# Altium PCB Time4CM4_PCIeCarrier_PCB.PcbDoc (part 4 of 5)
Units mil, origin at the board's own origin, x right, y up, seen from the top; angles counter-clockwise.
Board outline 4413.39 x 2736.22 mil, 6 copper layers (Top Layer, Int1 (GND), Int2 (Sign), Int3 (Sign), Int4 (PWR), Bottom Layer), stack 69.312 mil thick; 188 components, 283 nets, 1105 pads, 686 vias.
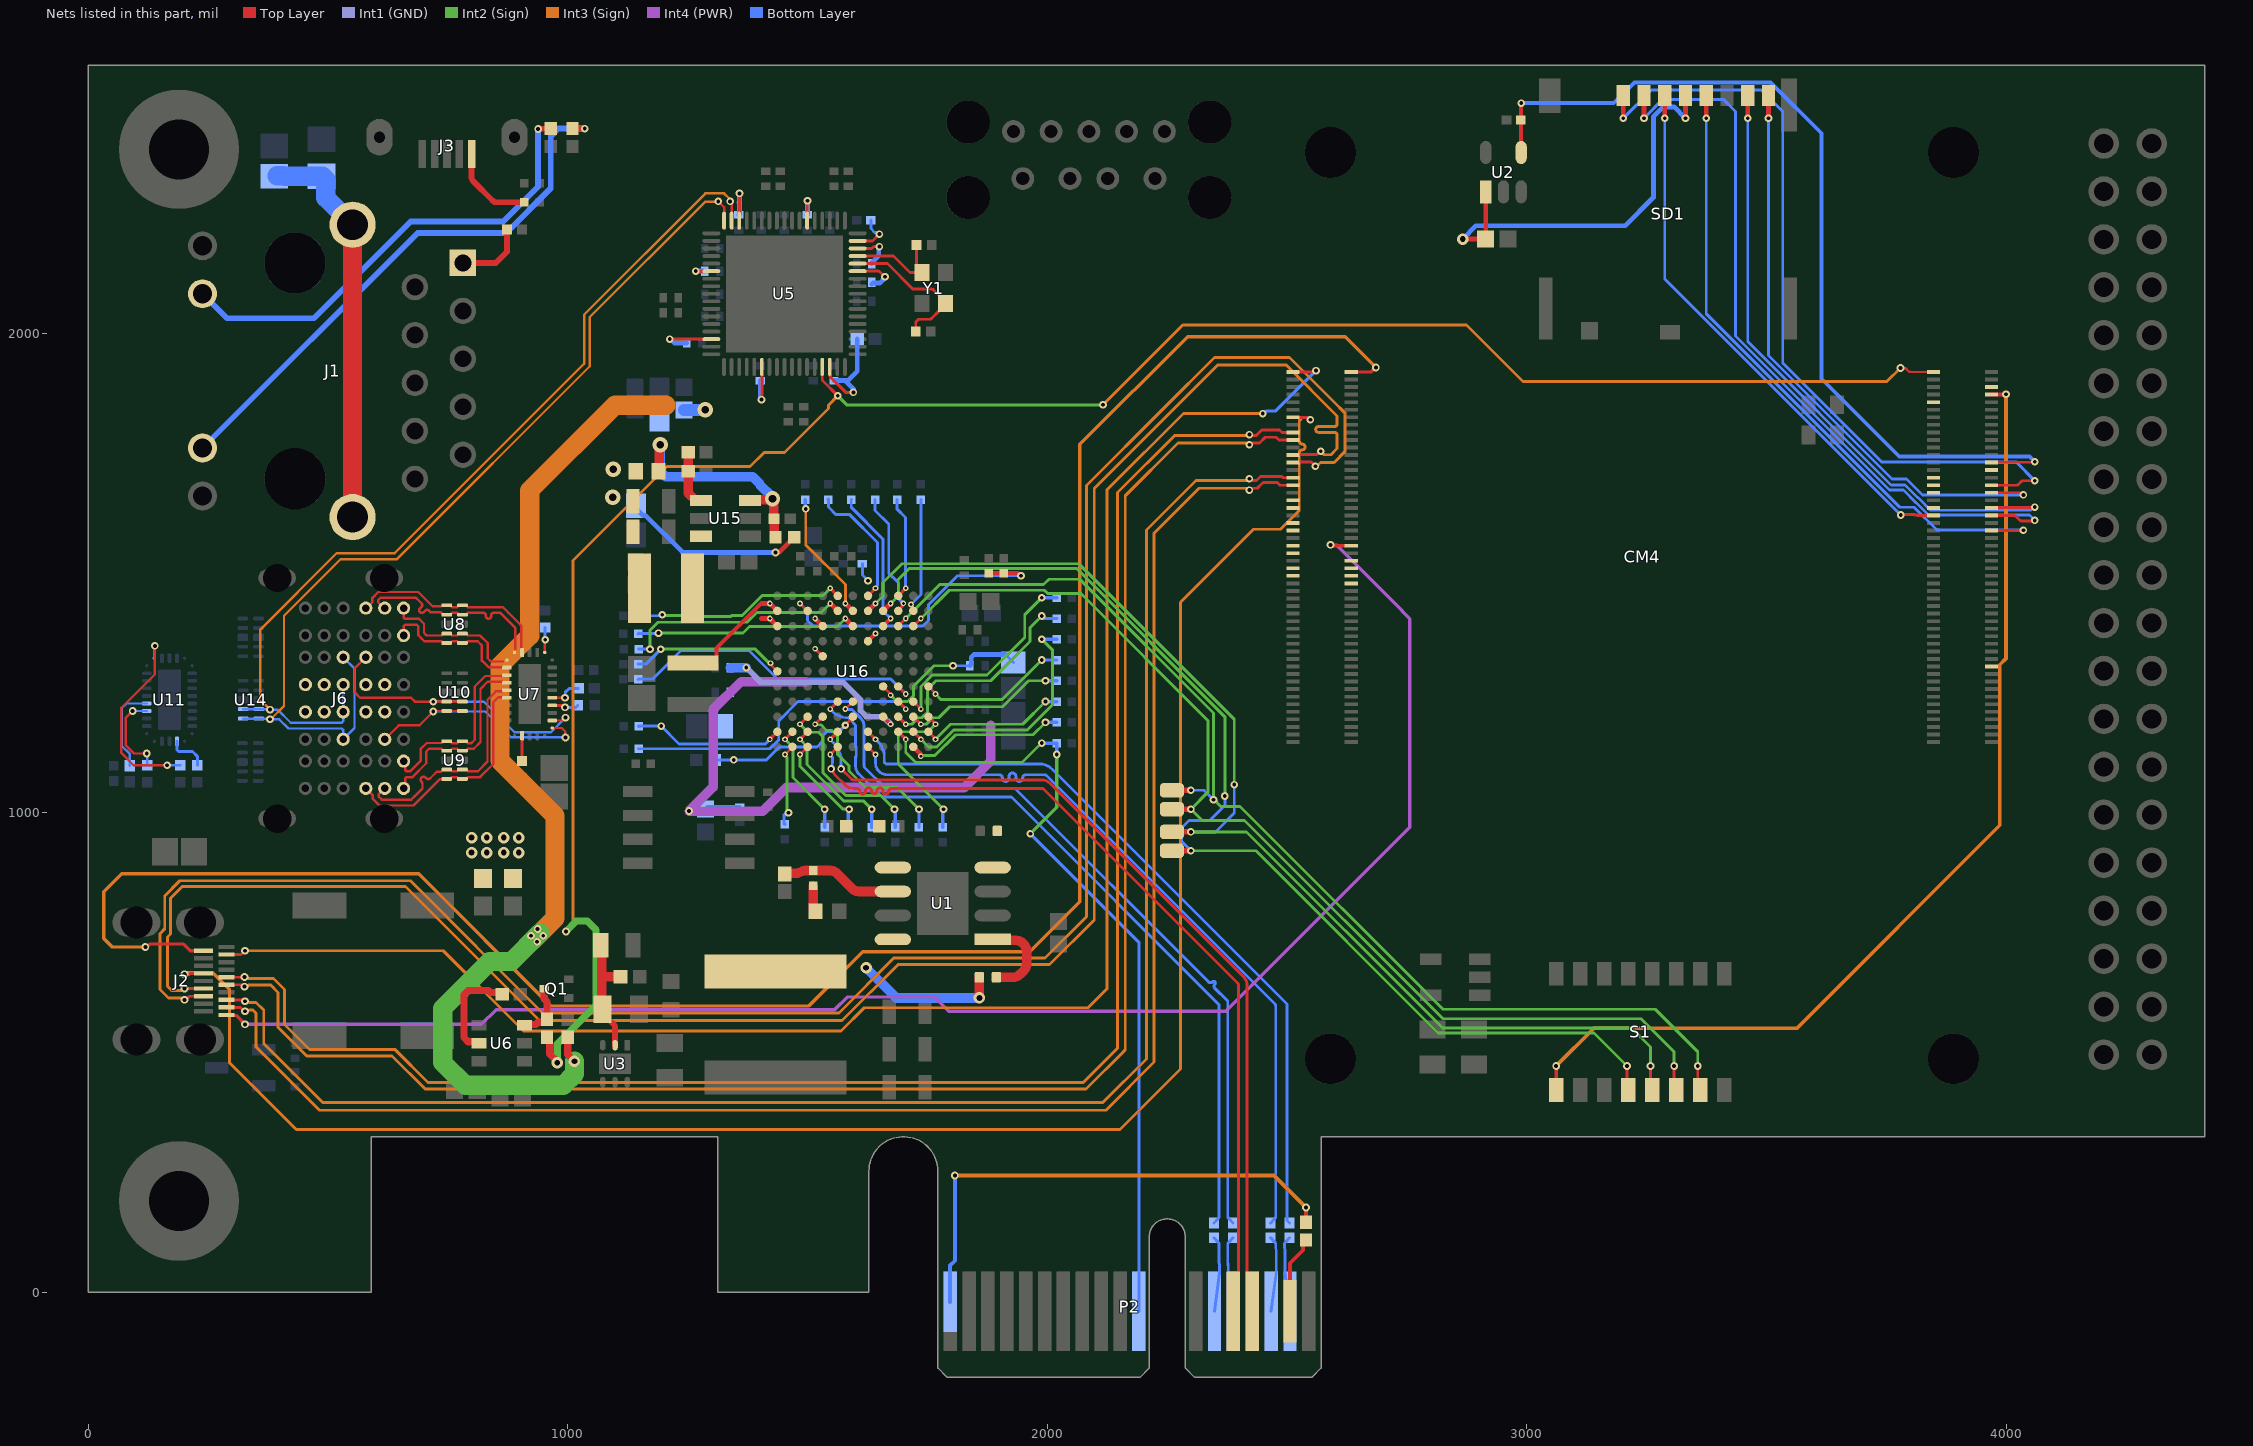
[diagram p8: the nets of this part, all layers, seen from the top]

## Via types
v1: diameter 16, hole 8, Top Layer to Bottom Layer, tented both sides, 372 vias
v2: diameter 20, hole 10, Top Layer to Bottom Layer, tented both sides, 88 vias
v3: diameter 12, hole 6, Top Layer to Bottom Layer, tented both sides, 87 vias
v4: diameter 24, hole 12, Top Layer to Bottom Layer, tented both sides, 69 vias
v5: diameter 19.68, hole 7.87, Top Layer to Bottom Layer, tented both sides, 36 vias
v6: diameter 32, hole 16, Top Layer to Bottom Layer, tented both sides, 19 vias
v7: diameter 19.68, hole 7.87, Top Layer to Bottom Layer, 12 vias
v8: diameter 16, hole 6, Top Layer to Bottom Layer, tented both sides, 2 vias
v9: diameter 80, hole 40, Top Layer to Bottom Layer, tented both sides, 1 vias

## Nets (pads, with @x,y where several pads share a name; then routed paths per layer and width w, separated by ;. In a path a pad name is that pad's centre, name@x,y a point inside that pad or via, vN(x,y) a via of type N, cw(c..) or ccw(c..) an arc to the next point about the centre after c; other vN are vias at no path point) (continued)
HDMI0_CLK_P: CM4.188 J2.12 | length 3975.8
  Top Layer w6: v1(200.79,663.86) 201.32,663.33 210.7,663.33 212.6,665.23 240.03,665.23 J2.12@240.16,665.35 ; CM4.188@2512.26,1825.16 2512.62,1824.8 v1@2542.57,1824.8
  Int3 (Sign) w6: v1(200.79,663.86) 203.49,663.86 207.32,667.69 258.49,667.69 294.79,631.39 294.79,478.85 433.83,339.8 2151.81,339.8 2277.81,465.8 2277.81,1439.23 2430.12,1591.54 2486.22,1591.54 2522.22,1627.53 2525.36,1630.67 ; 2525.36,1731.53 2525.36,1721.53 ; v1(2548.45,1820.1) 2547.27,1820.1 2542.7,1824.68 2532.21,1824.68 2525.36,1817.82 2525.36,1799.21 2525.36,1775.22 ccw(c2531.36,1775.22) 2531.36,1769.22 cw(c2531.36,1763.22) 2531.36,1757.22 ccw(c2531.36,1751.22) 2525.36,1751.22 2525.36,1736.22 2525.36,1733.03 2525.36,1721.53 ; 2525.36,1630.67 2525.36,1631.58 2525.36,1640.67 ; 2525.36,1630.67 2525.36,1640.67 ; 2525.36,1640.67 2525.36,1643.22 2525.36,1713.01 2525.36,1721.53
HDMI0_HP: CM4.153 J2.1 | length 3378.2
  Top Layer w7: J2.1@288.39,578.74 289.41,577.71 308.11,577.71 v1(326.77,559.06) ; v1(2590.55,1559.06) 2592.16,1557.45 CM4.153@2633.52,1557.45
  Int4 (PWR) w7: v1(326.77,559.06) 819.88,559.06 850.39,589.57 1556.1,589.57 1582.68,616.14 1764.76,616.14 1794.29,586.61 2372.05,586.61 2755.91,970.47 2755.91,1404.53 2739.83,1420.6 2739.83,1421.67 2603.12,1558.39 2591.22,1558.39 v1(2590.55,1559.06)
HDMI0_SCL: CM4.200 J2.17 | length 3573.3
  Top Layer w6: J2.17@288.39,704.72 318.26,704.72 326.13,712.6 v1(326.77,712.6)
  Top Layer w7: CM4.200@2512.26,1919.65 2557.45,1919.65 v1(2560.19,1922.4)
  Int3 (Sign) w6: v1(326.77,712.6) 740.16,712.6 907.48,545.28 1569.59,545.28 1618.11,593.8 2084.94,593.8 2124.02,632.87 2124.02,1673.23 2283.61,1832.82 v1(2449.12,1832.82)
  Bottom Layer w7: v1(2449.12,1832.82) 2451.55,1832.82 2457,1838.27 2476.06,1838.27 v1(2560.19,1922.4)
HDMI0_SDA: CM4.199 J2.18 | length 4321.8
  Top Layer w7: v1(119.09,720.47) 121.53,720.47 127.68,726.62 198.57,726.62 212.6,712.6 J2.18@240.16,712.6 ; CM4.199@2633.52,1919.65 2675.56,1919.65 v1(2685.04,1929.13)
  Int3 (Sign) w7: v1(119.09,720.47) 50.2,720.47 32.48,738.19 32.48,835.63 69.88,873.03 688.98,873.03 964.57,597.44 1501.97,597.44 1615.16,710.63 1963.58,710.63 2067.91,814.96 2067.91,1768.7 2292.32,1993.11 2621.06,1993.11 v1(2685.04,1929.13)
HDMI0_TX0_N: CM4.184 J2.11 | length 3596.4
  Top Layer w6: J2.11@288.39,657.48 v1@325.47,657.48 ; v1@2427.78,1787.53 2435.85,1787.53 2447.24,1798.91 2484.24,1798.91 2489.48,1793.67 CM4.184@2512.26,1793.67
  Int3 (Sign) w6: v1(325.79,657.8) 327.7,655.88 333.11,655.88 334.3,654.69 386.33,654.69 409.45,631.57 409.45,558.86 461.42,506.89 640.19,506.89 640.19,506.06 708.3,437.96 2074.97,437.96 2146.4,509.39 2146.4,1668.04 2265.88,1787.53 2419.89,1787.53 v1(2421.26,1788.9)
HDMI0_TX0_P: CM4.182 J2.9 | length 3596.6
  Top Layer w6: J2.9@288.39,641.73 319.14,641.73 323.08,637.8 v1(325.79,637.8) ; v1@2427.78,1771.53 2442.48,1771.53 2454.42,1783.46 2477.06,1783.46 2482.86,1777.67 2512.01,1777.67 CM4.182@2512.26,1777.92
  Int3 (Sign) w6: v1(325.79,637.8) 327.7,639.71 333.11,639.71 334.3,640.91 380.62,640.91 395.67,625.86 395.67,553.15 455.71,493.11 633.66,493.11 702.59,424.18 2080.67,424.18 2160.18,503.69 2160.18,504.03 2162.4,506.25 2162.4,1661.42 2272.51,1771.53 2414.74,1771.53 2418.55,1767.72 v1(2421.26,1767.72)
HDMI0_TX1_N: CM4.178 J2.8 | length 4202.1
  Top Layer w6: v1(200.79,633.86) J2.8@240.16,633.86 ; CM4.178@2522.13,1747.63 2561.64,1747.63 2568.22,1754.21 v1(2570.15,1754.21)
  Int3 (Sign) w6: v1(200.79,633.86) 198.08,633.86 194.27,630.05 174.08,630.05 165.35,638.77 165.35,741.66 171.54,747.85 171.54,822.13 195.87,846.46 661.42,846.46 940.71,567.16 1572.07,567.16 1688.94,684.03 2004.63,684.03 2097.69,777.09 2097.69,1676.43 2355.32,1934.06 2498.13,1934.06 2604.33,1827.86 2604.33,1826.77 2604.33,1811.77 cw(c2598.33,1811.77) 2598.33,1805.77 2565.49,1805.77 ccw(c2565.49,1799.77) 2565.49,1793.77 2598.33,1793.77 cw(c2598.33,1787.77) 2604.33,1787.77 2604.33,1761.81 2604.33,1759.84 2591.5,1747.02 2577.31,1747.02 v1(2570.15,1754.21)
HDMI0_TX1_P: CM4.176 J2.6 | length 4226.7
  Top Layer w6: v1(200.79,610.24) 203.49,610.24 211.12,617.86 239.91,617.86 J2.6@240.16,618.11 ; CM4.176@2522.13,1731.63 2550.43,1731.63 2558.94,1723.12 v1(2558.94,1723)
  Int3 (Sign) w6: v1(200.79,610.24) 198.08,610.24 194.27,614.05 167.45,614.05 149.35,632.14 149.35,748.29 159.48,758.41 159.48,827.13 190.87,858.52 671.98,858.52 947.34,583.16 1565.45,583.16 1679.54,697.26 1995.24,697.26 2081.69,783.72 2081.69,1683.06 2242.78,1844.15 2348.69,1950.06 2504.76,1950.06 2596.43,1858.39 2620.33,1834.49 2620.33,1753.22 2598.13,1731.02 2569.67,1731.02 2561.65,1723 v1(2558.94,1723)
HDMI0_TX2_N: CM4.172 J2.5 | length 3536.6
  Top Layer w6: J2.5@288.39,610.24 323.83,610.24 v1(326.77,607.3) ; v1@2427.78,1693.04 2435.84,1693.04 2444.34,1701.54 2489.22,1701.54 2491.7,1699.05 2501.48,1699.05 2501.61,1699.18 CM4.172@2512.26,1699.18
  Int3 (Sign) w6: v1(326.77,607.3) 328.68,605.38 334.86,605.38 335.29,604.95 349.77,604.95 365.86,588.86 365.86,519 488.94,395.92 2115.53,395.92 2206.69,487.08 2206.69,1589.96 2309.77,1693.04 2311.02,1693.04 2404.53,1693.04 2414.74,1693.04 2418.55,1696.85 v1(2421.26,1696.85)
HDMI0_TX2_P: CM4.170 J2.3 | length 3541.1
  Top Layer w6: J2.3@288.39,594.49 317.31,594.49 325.18,586.61 v1(326.77,586.61) ; v1@2427.78,1677.04 2435.84,1677.04 ccw(c2435.84,1693.04) 2437.7,1677.15 2447.8,1687.25 cw(c2452.02,1682.98) 2452.02,1688.98 2479.5,1688.98 2485.18,1683.3 2512.14,1683.3 CM4.170@2512.26,1683.43
  Int3 (Sign) w6: v1(326.77,586.61) 328.68,588.53 334.86,588.53 335.29,588.95 343.14,588.95 349.86,582.23 349.86,512.37 482.31,379.92 2122.16,379.92 2222.69,480.46 2222.69,1583.33 2316.4,1677.04 2414.74,1677.04 2418.55,1673.23 v1(2421.26,1673.23)
HDMI1_CEC: CM4.149
HDMI1_CLK_N: CM4.166
HDMI1_CLK_P: CM4.164
HDMI1_HP: CM4.143
HDMI1_SCL: CM4.147
HDMI1_SDA: CM4.145
HDMI1_TX0_N: CM4.160
HDMI1_TX0_P: CM4.158
HDMI1_TX1_N: CM4.154
HDMI1_TX1_P: CM4.152
HDMI1_TX2_N: CM4.148
HDMI1_TX2_P: CM4.146
LED_ACT: CM4.21
LED_PWR: CM4.95
NetC2_1: C2.1 U1.4
NetC3_1: C3.1 U1.1 | length 187.6
  Top Layer w20: U1.1@1885.83,736.22 1913.81,734.17 1934.71,734.17 cw(c1934.71,714.17) 1948.82,728.34 1950.87,726.3 cw(c1936.69,712.19) 1956.69,712.19 1956.69,685.45 cw(c1936.69,685.45) 1950.87,671.34 1942.83,663.3 cw(c1928.72,677.48) 1928.72,657.48 C3.1@1893.7,657.48
NetC3_2: C3.2 L1.1 U1.8 | length 305.6
  Top Layer w20: v4(1858.27,614.17) 1858.27,657.37 cw(c1878.27,657.37) C3.2@1858.27,657.48
  Bottom Layer w20: v4(1622.05,677.17) 1685.04,614.17 v4(1858.27,614.17)
NetC7_1: C7.1 R6.2 U1.6 | length 242.5
  Top Layer w20: C7.1@1452.76,874.02 1474,874.02 ccw(c1474,894.02) 1481.49,875.47 1489,878.52 cw(c1496.56,860.01) 1496.56,880.01 1546.75,880.01 cw(c1546.75,860.01) 1560.94,874.1 1592.96,842.08 ccw(c1607.1,856.22) 1607.1,836.22 U1.6@1677.85,836.22
NetC9_1: C9.1 J1.1 | length 147.8
  Top Layer w12: J1.1@781.1,2147.05 849.8,2147.05 873.03,2170.28 C9.1@873.03,2216.54
NetC11_2: C11.2 C61.2 FB8.2 U16.H3 | length 419.1
  Top Layer w6: U16.H3@1657.48,1200.79 v3(1673.23,1185.04)
  Int1 (GND) w12: v1(1372.05,1303.15) 1402.56,1272.64 1573.82,1272.64 1610.24,1236.22 1610.24,1213.58 1623.03,1200.79 1657.48,1200.79 v3(1673.23,1185.04)
  Bottom Layer w20: C61.2@1338.58,1303.15 v1(1372.05,1303.15)
NetC12_1: C12.1 J1.S1 J1.S2 R12.2 | length 830
  Top Layer w40: J1.S2@551.18,1616.93 J1.S1@551.18,2226.77
  Bottom Layer w40: C12.1@393.48,2328.74 407.82,2328.74 408.83,2327.73 R12.2@486.22,2327.73 ; R12.2@488.33,2327.73 495,2321.06 495,2282.95 J1.S1@551.18,2226.77
NetC15_1: C15.1 R6.1 | length 54.8
  Top Layer w20: R6.1@1511.81,848.34 1511.81,801.26 C15.1@1516.65,795.28
NetC17_1: C17.1 R13.1 R14.2 U3.2 | length 253
  Top Layer w12: R13.1@1083.11,572.01 R13.1@1084.55,568.01 ; R13.1@1084.59,568 cw(c1081.83,556.32) 1090.31,564.81 1094.84,560.28 cw(c1086.43,551.72) 1098.43,551.72 U3.2@1098.43,515.75
  Top Layer w20: R14.2@1070.87,720.87 1070.87,657.48 ; R13.1@1080.55,572.01 R13.1@1071.85,590.55 1070.87,609.09 1070.87,657.48 ; C17.1@1109.84,658.46 1071.85,658.46 1070.87,657.48
NetC25_1: C25.1 U5.48 Y1.3 | length 208.8
  Top Layer w6: U5.48@1604.33,2161.42 1679.32,2161.42 1713.66,2127.07 Y1.3@1738.24,2127.07 1727.42,2141.79 C25.1@1727.42,2184.16
NetC26_1: C26.1 U5.47 Y1.1 | length 316.9
  Top Layer w6: U5.47@1604.33,2145.67 1666.4,2145.67 1719.76,2092.31 1758.55,2092.31 cw(c1758.55,2086.31) 1762.82,2090.53 1785.7,2067.65 cw(c1781.46,2063.4) Y1.1@1787.46,2063.44 ; C26.1@1725.45,2004.04 1725.45,2021.24 cw(c1731.45,2021.24) 1727.19,2025.46 1729.62,2027.89 cw(c1733.84,2023.63) 1733.84,2029.63 1754.46,2029.63 ccw(c1754.46,2035.63) 1758.68,2031.37 1774.71,2047.39 Y1.1@1787.46,2062.11 Y1.1@1787.46,2063.4
NetC56_1: C56.1 C57.1 C58.1 FB7.1 L3.2 R31.1 | length 387
  Top Layer w10: v1(1433.07,1543.31) 1434.22,1544.46 1442.09,1544.46 R31.1@1472.44,1574.8
  Bottom Layer w10: FB7.1@1141.73,1640.79 1141.73,1635.91 1157.56,1620.08 1162.44,1620.08 1239.22,1543.31 v1(1433.07,1543.31)
  other v6: 1093.61,1658.36 1094.49,1716.54
NetC56_2: C56.2 R31.2 R33.2 U15.6 | length 508.4
  Top Layer w20: C56.2@1188.98,1712.6 1190.94,1714.57 1190.94,1765.75 v6(1192.91,1767.72) ; U15.6@1379.92,1651.57 1381.73,1653.39 1425.04,1653.39 v6(1426.88,1655.23) ; v6@1425.89,1657.48 1429.13,1657.48 1429.13,1614.02 1429.96,1613.19 R33.2@1430.12,1613.19 1430.28,1613.03 1430.28,1577.6 R31.2@1433.07,1574.8
  Bottom Layer w20: v6(1192.91,1767.72) 1192.91,1712.6 1204.72,1700.79 1385.83,1700.79 1399.97,1686.65 1399.97,1685.39 1426.88,1658.48 v6(1426.88,1655.23)
NetC68_2: C68.2 C69.2 C70.2 C71.1 FB9.2 U16.D7 U16.G8 U16.H5 | length 1743.9
  Top Layer w6: v3(1515.75,1342.52) U16.D7@1531.5,1326.77 ; U16.H5@1657.48,1263.78 1672.08,1249.18 1672.08,1246.69 v3(1673.23,1245.54)
  Top Layer w8: U16.G8@1625.98,1358.27 v3(1641.73,1374.02)
  Int4 (PWR) w20: 1496.06,1273.62 1361.22,1273.62 1303.15,1215.55 1303.15,1054.13 v1(1252.95,1003.94) 1406.88,1003.94 1456.09,1053.15 1826.77,1053.15 1881.89,1108.27 1881.89,1183.07
  Int2 (Sign) w6: v3(1673.23,1245.54) 1686.49,1232.28 1708.66,1232.28 1720.47,1244.09 1720.47,1263.78 1763.78,1307.09 v1(1803.15,1307.09)
  Bottom Layer w6: C69.2@1614.17,1519.69 1614.17,1496.06 v1(1625.98,1484.25) ; v1(1803.15,1307.09) C68.2@1838.58,1307.09 ; FB9.2@1912.44,1330.71 FB9.2@1929.13,1314.01
  Bottom Layer w10: v1(1252.95,1003.94) 1254.58,1003.94 1257.8,1007.16 1286.67,1007.16 C71.1@1287.4,1007.9 1291.32,1011.81 C70.2@1358.27,1011.81 ; C68.2@1838.58,1307.09 1841.46,1309.96 1841.46,1324.85 1847.31,1330.71 FB9.2@1912.44,1330.71
NetFB5_1: FB5.1 J6.A4-A J6.A9-A J6.B4-A J6.B9-A
  other v4: 866.14,917.32 897.64,917.32 866.14,948.82 897.64,948.82
NetFB6_1: FB6.1 J6.A4-B J6.A9-B J6.B4-B J6.B9-B
  other v4: 799.21,917.32 830.71,917.32 799.21,948.82 830.71,948.82
NetJ1_12: J1.12 R9.2 | length 981.8
  Top Layer w12: v1(937.99,2426.18) 938.48,2426.67 964.07,2426.67 R9.2@964.57,2427.17
  Bottom Layer w12: J1.12@238.19,2082.68 289.37,2031.5 470.47,2031.5 672.24,2233.27 865.16,2233.27 937.99,2306.1 v1(937.99,2426.18)
NetJ1_13: J1.13 R10.2 | length 1162.5
  Top Layer w12: R10.2@1009.84,2427.17 v1(1035.43,2427.17)
  Bottom Layer w12: J1.13@238.19,1761.02 686.81,2209.65 871.58,2209.65 964.57,2302.64 964.57,2411.42 980.31,2427.17 v1(1035.43,2427.17)
NetJ3_1: J3.1 R15.2 | length 182.1
  Top Layer w12: J3.1@799.21,2374.21 799.21,2325.84 ccw(c811.21,2325.84) 802.7,2317.37 842.96,2277.11 ccw(c851.43,2285.62) 851.43,2273.62 R15.2@909.45,2273.62
NetL3_1: L3.1 U15.3
NetL4_1: L4.1 U16.A9 U16.A10 | length 281.9
  Top Layer w8: L4.1@1260.83,1312.99 1309.98,1324.74 1309.98,1340.52 cw(c1317.98,1340.52) 1312.31,1346.17 1403.15,1437.01
  Top Layer w10: 1403.15,1405.51 1421.06,1405.51 v3(1421.26,1405.31) ; 1403.15,1437.01 v3(1421.26,1437.01) U16.A10@1437.01,1421.26 ; v3@1421.26,1405.51 U16.A9@1437.01,1389.76
NetP2_B17: P2.B17 R4.2 | length 162.1
  Top Layer w8: P2.B17@2505.96,-39 2505.96,61.08 2533.04,88.16 2533.04,102.92 R4.2@2539.37,109.25
NetR1_2: R1.2 U16.L3 | length 339.4
  Top Layer w6: U16.L3@1751.97,1200.79 1766.53,1186.23 v3(1766.53,1185.04)
  Int2 (Sign) w6: v3(1766.53,1185.04) 1750.78,1169.29 1697.83,1169.29 1688.98,1160.43 1688.98,1102.36 v1(1783.46,1007.87)
  Bottom Layer w7: R1.2@1781.5,970.47 1781.5,1003.47 1783.46,1005.44 v1(1783.46,1007.87)
NetR2_2: R2.2 U16.J4 | length 649.7
  Top Layer w6: U16.J4@1688.98,1232.28 v3(1704.72,1216.54)
  Bottom Layer w6: R2.2@1147.64,1133.86 1421.26,1133.86 1439.76,1152.35 1439.76,1191.72 1480.31,1232.28 1688.98,1232.28 v3(1704.72,1216.54)
NetR5_2: R5.2 R7.1 U1.5
NetR8_2: R8.2 U16.K4 | length 457.3
  Top Layer w6: U16.K4@1720.47,1232.28 v3(1736.22,1216.54)
  Int2 (Sign) w6: v3(1736.22,1216.54) 1736.22,1263.78 1759.84,1287.4 1874.02,1287.4 1952.76,1366.14 1952.76,1413.39 v1(1988.19,1448.82)
  Bottom Layer w7: v1(1988.19,1448.82) R8.2@2019.68,1448.82
NetR18_2: R18.2 U5.50 | length 91.3
  Top Layer w6: U5.50@1604.33,2192.91 1635.39,2192.91 v1(1649.61,2207.13)
  Bottom Layer w6: R18.2@1631.89,2236.22 1631.89,2218.5 1639.82,2210.57 1646.16,2210.57 v1(1649.61,2207.13)
NetR21_2: R21.2 U6.5 | length 212.5
  Top Layer w15: U6.5@814.96,519.69 811.63,523.01 792.25,523.01 783.46,531.8 783.46,621.13 792.25,629.92 834.65,629.92 838.66,625.91 859.33,625.91 R21.2@863.19,622.05
NetR22_1: R22.1 U7.11 | length 52.6
  Top Layer w6: U7.11@951.77,1334.65 951.77,1360.24 v1(952.76,1361.22)
  Bottom Layer w6: v1(952.76,1361.22) R22.1@952.76,1386.81
NetR23_1: R23.1 U7.27 | length 53.1
  Top Layer w6: R23.1@904.53,1108.27 U7.27@904.53,1161.42
NetR24_1: R24.1 U7.4 | length 56.7
  Top Layer w6: U7.4@967.52,1224.41 987.14,1224.41 991.39,1220.16 v1(994.09,1220.16)
  Bottom Layer w6: v1(994.09,1220.16) 1016.42,1220.16 R24.1@1020.67,1224.41
NetR25_1: R25.1 U7.5 | length 68.6
  Top Layer w6: U7.5@967.52,1240.16 v1(994.09,1240.16)
  Bottom Layer w6: v1(994.09,1240.16) 994.7,1240.76 994.7,1251.59 1002.95,1259.84 R25.1@1021.65,1259.84
NetR26_1: R26.1 U11.11 | length 413.6
  Top Layer w5: v1(138.78,1348.43) 138.78,1289.37 68.9,1219.49 68.9,1125 94.49,1099.41 v1@165.95,1099.41
  Bottom Layer w5: U11.11@137.8,1322.83 138.19,1323.23 138.19,1324.71 138.78,1325.29 v1(138.78,1348.43) ; v1(164.37,1099.41) R26.1@191.93,1099.41
NetR27_1: R27.1 U11.27 | length 84.7
  Bottom Layer w6: U11.27@185.04,1149.61 185.04,1131.47 188.55,1127.95 217.52,1127.95 227.36,1118.11 R27.1@227.36,1099.41
NetR28_1: R28.1 U11.4 | length 182.9
  Top Layer w5: v1(92.52,1212.6) 77.9,1197.98 77.9,1141.59 95.47,1124.02 v1(121.73,1124.02)
  Bottom Layer w5: v1(92.52,1212.6) U11.4@122.05,1212.6 ; v1(121.73,1124.02) 123.03,1122.72 R28.1@123.03,1099.41
NetR29_1: R29.1 U11.5 | length 183.3
  Bottom Layer w5: R29.1@86.61,1098.43 86.61,1123.03 69.88,1139.76 69.88,1218.5 79.72,1228.35 U11.5@122.05,1228.35
NetR30_1: R30.1 R32.2 U15.1 | length 117.7
  Top Layer w20: R30.1@1250.98,1751.97 R32.2@1250.98,1712.6 1250.98,1667.32 1266.73,1651.57 U15.1@1277.56,1651.57
NetR34_1: R34.1 U16.F3 | length 334.2
  Top Layer w6: v8@1580.82,1186.12 U16.F3@1592.39,1197.69
  Top Layer w10: v8(1578.74,1183.04) cw(c1587.92,1179.08) v8@1580.82,1186.12 ; U16.F3@1592.39,1197.69 ccw(c1585.31,1204.75) U16.F3@1594.49,1200.79
  Int3 (Sign) w10: v8@1577.12,1183.04 v8(1578.74,1183.04)
  Bottom Layer w6: R34.1@1307.09,1110.24 1345.55,1110.24 v1(1346,1110.69) 1413.84,1110.69 1440.94,1137.8 1519.69,1137.8 1531.5,1149.61 1531.5,1161.42 1539.37,1169.29 1564.99,1169.29 v8(1578.74,1183.04)
NetR35_2: R35.2 U16.K10 | length 243
  Top Layer w6: v3(1715.42,1434.59) 1715.42,1432.96 1718.23,1430.15 1718.23,1423.5 U16.K10@1720.47,1421.26
  Bottom Layer w6: v3(1715.42,1434.59) 1736.22,1455.39 1736.22,1625.98 R35.2@1736.22,1653.54
NetR36_2: R36.2 U16.J10 | length 261.1
  Top Layer w6: U16.J10@1688.98,1421.26 1688.98,1422.63 1698.48,1432.14 1698.48,1436.05 v3(1699.63,1437.19)
  Bottom Layer w6: R36.2@1640.66,1653.54 1640.66,1631 1669.29,1602.36 1669.29,1500 1688.98,1480.32 1688.98,1447.85 v3(1699.63,1437.19)
NetR37_1: R37.1 R40.2 U16.C10 | length 645.6
  Top Layer w6: v3(1484.25,1437.01) U16.C10@1500,1421.26
  Top Layer w10: R40.2@1877.95,1500 1905.59,1500 R37.1@1909.45,1500 1937.94,1500 1943.26,1494.69 v1(1944.88,1494.69)
  Bottom Layer w6: v3(1484.25,1437.01) 1500,1421.26 1500,1401.57 1511.81,1389.76 1740.16,1389.76 1751.97,1401.57 1751.97,1434.1 1812.55,1494.69 v1(1944.88,1494.69)
NetR38_2: R38.2 U16.J11 | length 214.7
  Top Layer w6: U16.J11@1688.98,1452.76 v3(1704.72,1468.5)
  Bottom Layer w6: R38.2@1686.83,1653.54 1686.83,1633.3 1704.06,1616.07 1704.06,1469.17 v3(1704.72,1468.5)
NetR39_2: R39.2 U16.H9 | length 304.5
  Top Layer w8: U16.H9@1657.48,1389.76 v3(1673.23,1405.51)
  Bottom Layer w6: R39.2@1591.27,1653.54 1590.91,1653.19 1590.91,1637.44 1657.48,1570.87 1657.48,1421.26 v3(1673.23,1405.51)
NetR41_2: R41.2 U16.G11 | length 268.5
  Top Layer w6: U16.G11@1625.98,1452.76 v3(1641.73,1468.5)
  Bottom Layer w6: R41.2@1543.31,1653.54 1543.31,1637.8 1559.06,1622.05 1587.94,1622.05 1645.67,1564.32 1645.67,1474.06 1641.73,1470.13 v3(1641.73,1468.5)
  Bottom Layer w8: R41.2@1542.95,1653.54 R41.2@1543.13,1653.36
NetR42_2: R42.2 U16.F10 | length 273.6
  Top Layer w10: v3(1578.74,1437.01) U16.F10@1594.49,1421.26
  Int3 (Sign) w6: v1(1496.06,1634.08) 1496.06,1559.06 1578.74,1476.38 v3(1578.74,1437.01)
  Bottom Layer w7: R42.2@1494.63,1653.54 1495.35,1652.83 1495.35,1634.79 v1(1496.06,1634.08)
NetR43_2: R43.2 U16.F9 | length 468.2
  Top Layer w10: v3(1578.74,1405.51) U16.F9@1594.49,1389.76
  Int2 (Sign) w6: v1(1188.98,1375) 1365.16,1375 1378.94,1388.78 1562.01,1388.78 v3(1578.74,1405.51)
  Bottom Layer w6: R43.2@1146.65,1373.57 1148.08,1375 1148.8,1374.28 1188.26,1374.28 v1(1188.98,1375)
NetR44_2: R44.2 U16.E11 | length 449.5
  Top Layer w6: v3(1547.24,1468.5) U16.E11@1562.99,1452.76
  Int2 (Sign) w6: v1(1196.85,1413.39) 1198.76,1411.47 1205.31,1411.47 1205.37,1411.42 1248.23,1411.42 1249.64,1410.01 1339.92,1410.01 1341.33,1411.42 1363.19,1411.42 1405.51,1453.74 1532.48,1453.74 v3(1547.24,1468.5)
  Bottom Layer w6: R44.2@1146.83,1411.24 1192,1411.24 1194.14,1413.39 v1(1196.85,1413.39)